# Altium PCB DKS.PcbDoc
Units mil, origin at the board's own origin, x right, y up, seen from the top; angles counter-clockwise.
Board outline 6000 x 4000 mil, 2 copper layers (Top Layer, Bottom Layer); 47 components, 39 nets, 185 pads, 0 vias.
Unrouted connection lines stored in the file: 99.
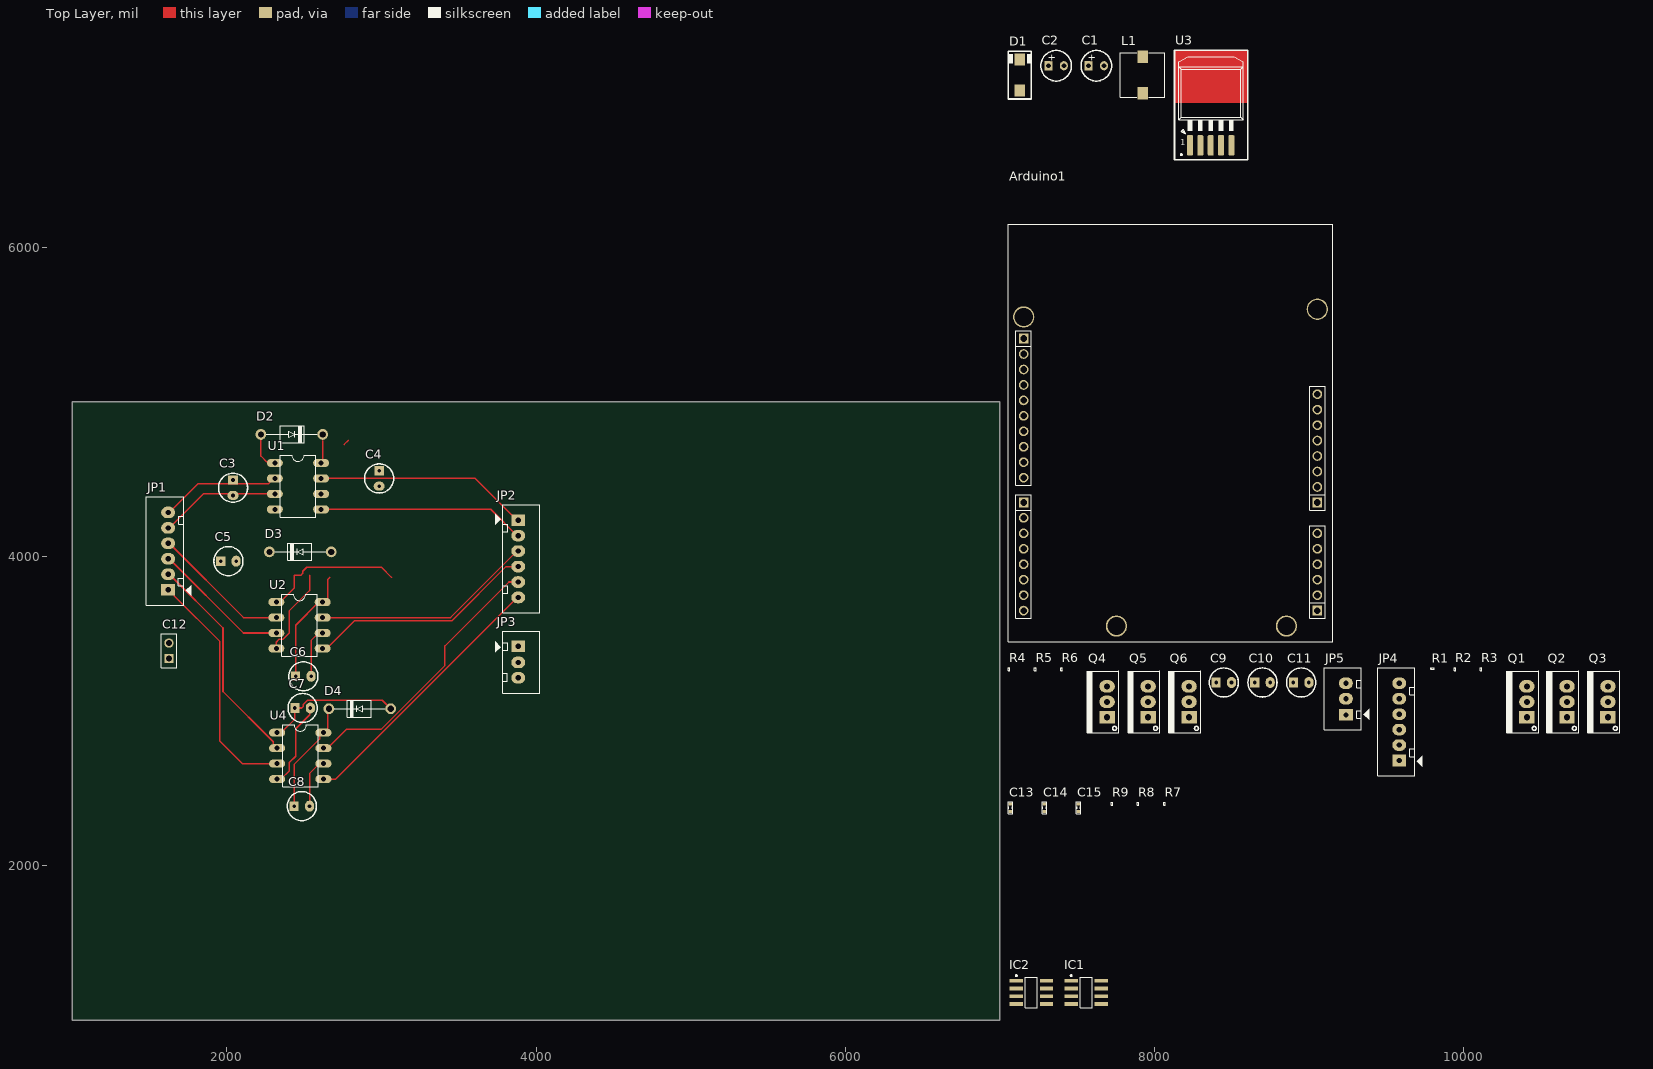
[diagram p0: Top Layer view]
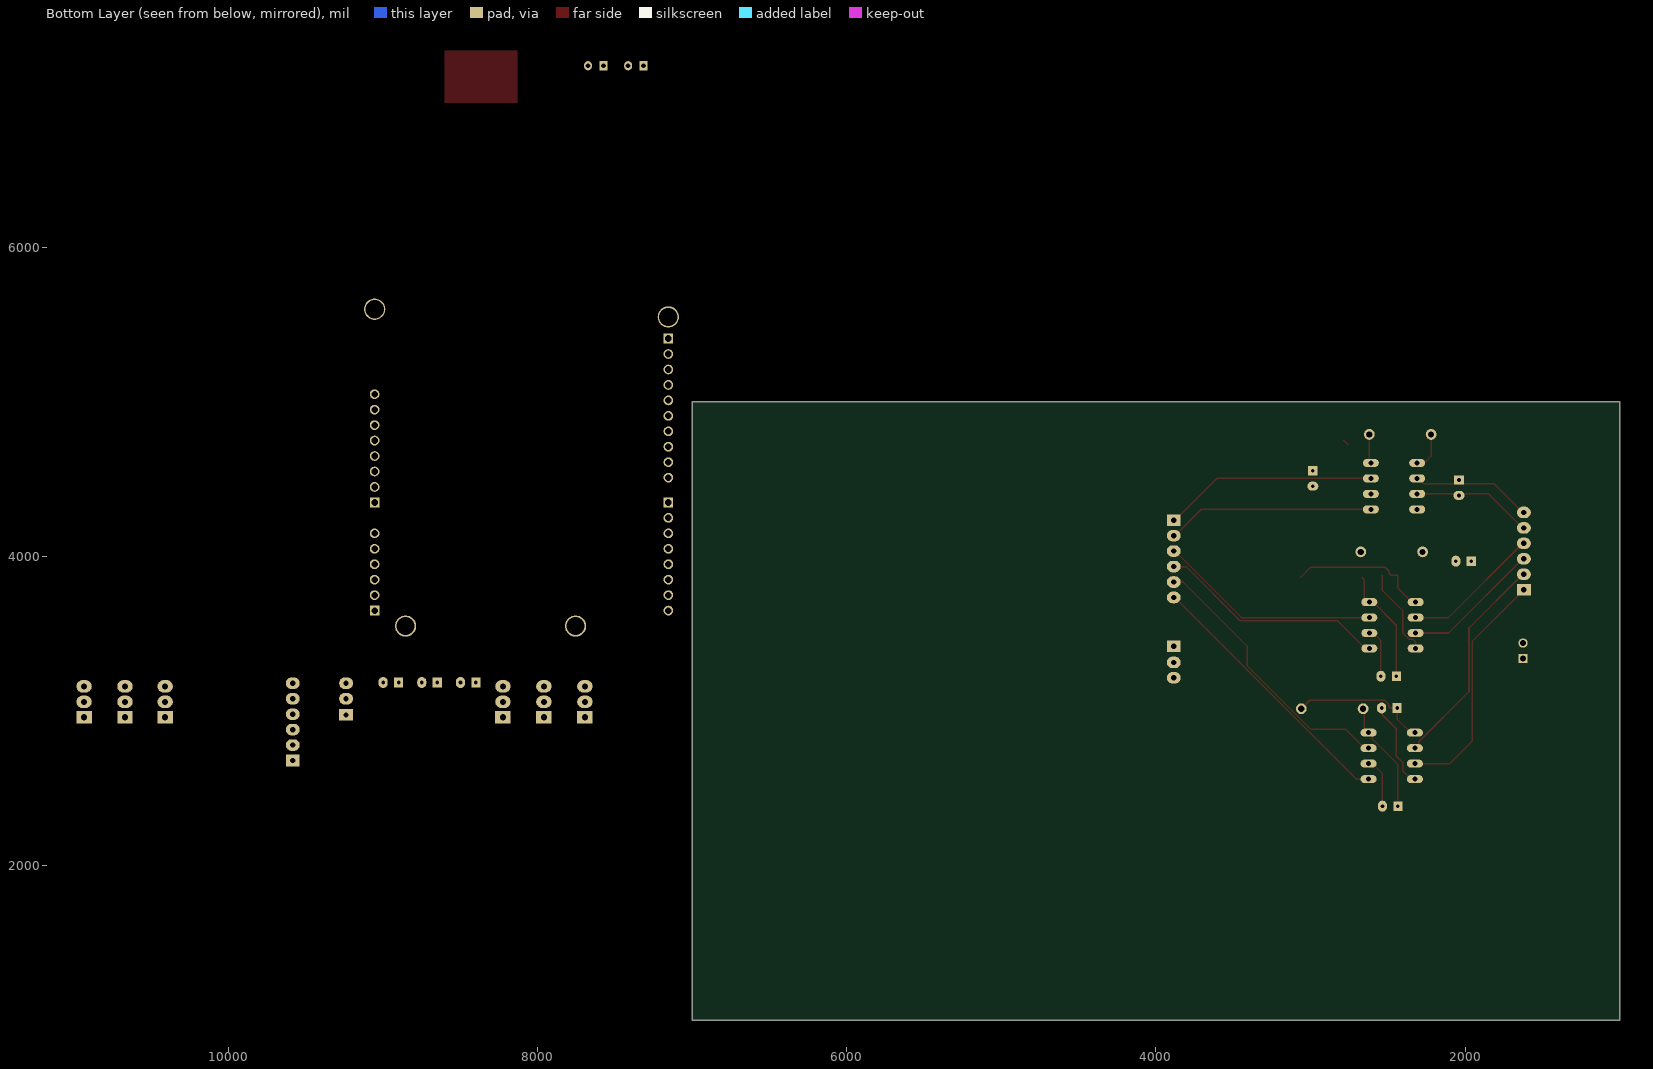
[diagram p1: Bottom Layer view, seen from below]

## Layer stack, top to bottom
Top Solder: solder mask 0.4, Solder Resist, Dk 3.5
Top Layer: signal copper 1.4
Dielectric 1: dielectric 12.6, FR-4, Dk 4.8
Bottom Layer: signal copper 1.4
Bottom Solder: solder mask 0.4, Solder Resist, Dk 3.5

## Board outline
1000,1000 7000,1000 7000,5000 1000,5000

## Design rules (kind name [scope] priority, off if disabled: settings)
Clearance [All] p1: gap=10 ignorepadtopadclearanceinfootprint=FALSE except(0: Arc-Hole Track-Hole SMDPad-Hole THPad-Hole Via-Hole Fill-Hole Poly-Hole Region-Hole Text-Hole)
PolygonConnect [All] p1: connectstyle=Relief reliefconductorwidth=10 reliefentries=4 polygonreliefangle="90 Angle" airgapwidth=10
RoomDefinition Power_Supply [InComponentClass('Power_Supply')] p1: confinementstyle=ConfineIn formatcopy=TRUE lockcomponents=FALSE outline 7045,6555 8615,6555 8615,7385 7045,7385
RoomDefinition MCU [InComponentClass('MCU')] p2: confinementstyle=ConfineIn formatcopy=TRUE lockcomponents=FALSE outline 7045,3440 9165,3440 9165,6505 7045,6505
RoomDefinition IGBT [InComponentClass('IGBT')] p3: confinementstyle=ConfineIn formatcopy=TRUE lockcomponents=FALSE outline 7045,2570 11020,2570 11020,3390 7045,3390
RoomDefinition Filter_Load [InComponentClass('Filter_Load')] p4: confinementstyle=ConfineIn formatcopy=TRUE lockcomponents=FALSE outline 7045,2330 8185,2330 8185,2520 7045,2520
RoomDefinition Current_Voltage_Sensor [InComponentClass('Current_Voltage_Sensor')] p5: confinementstyle=ConfineIn formatcopy=TRUE lockcomponents=FALSE outline 7045,1060 7720,1060 7720,1405 7045,1405
RoutingVias [All] p1: holewidth=28 width=50 viastyle="Through Hole" minholewidth=28 minwidth=50 maxholewidth=28 maxwidth=50
SolderMaskExpansion [All] p1: expansion=4 istentingtop=FALSE
Width [All] p1: maxlimit=10 minlimit=10 preferedwidth=10
30 further rules are at their usual default settings.

## Classes and differential pairs
component class Power_Supply: C1 C2 D1 L1 U3
component class MCU: Arduino1
component class IGBT: C9 C10 C11 JP4 JP5 Q1 Q2 Q3 Q4 Q5 Q6 R1 R2 R3 R4 R5 R6
component class Filter_Load: C13 C14 C15 L? R7 R8 R9
component class Current_Voltage_Sensor: IC1 IC2
component class Driver: C3 C4 C5 C6 C7 C8 C12 D2 D3 D4 JP1 JP2 JP3 L? U2 U4

## Components (designator, comment, footprint, x,y, rotation, side; value= is the part's Value field where it differs from the comment)
Arduino1 "Arduino Uno R3" "Arduino UNO R3" 8145,4825 r90 top value="Cau 1A"
C1 "680uF" C5mm 7625,7175 r0 top
C2 "220uF" C5mm 7365,7175 r0 top
C3 "10uF/25V" C3MM 2040,4445 r270 top
C4 "10uF/25V" C3MM 2985,4505 r270 top
C5 "10uF/25V" C3MM 2010,3970 r0 top
C6 "10uF/25V" C3MM 2495,3225 r0 top
C7 "10uF/25V" C3MM 2490,3020 r0 top
C8 "10uF/25V" C3MM 2485,2385 r0 top
C9 "10uF/50V" C3MM 8450,3185 r0 top
C10 "10uF/50V" C3MM 8700,3185 r0 top
C11 "10uF/50V" C3MM 8950,3185 r0 top
C12 "JP2" JP2-C1T 1625,3340 r90 top
C13 "47uF" CAP_0402 7070,2375 r90 top value=33p
C14 "47uF" CAP_0402 7290,2375 r90 top value=33p
C15 "47uF" CAP_0402 7510,2375 r90 top value=33p
D1 "Diode Zener" SMA 7130,7115 r90 top
D2 "Diode" DIO-1A 2220,4790 r0 top value=1N5007
D3 "Diode" DIO-1A 2675,4030 r180 top value=1N5007
D4 "Diode" DIO-1A 3060,3015 r180 top value=1N5007
IC1 "Current Sensor IC" SOIC-8 7560,1180 r0 top
IC2 "Current Sensor IC" SOIC-8 7205,1180 r0 top
JP1 "JP6" CON6 1620,3785 r90 top value="Connector 6"
JP2 "JP6" CON6 3885,4235 r270 top value="Connector 6"
JP3 "JP3" CON3 3885,3415 r270 top value="Connector 3"
JP4 "JP6" CON6 9585,2680 r90 top value="Connector 6"
JP5 "JP3" CON3 9240,2980 r90 top value="Connector 3"
L1 "33uH" L-SMD-M-7.3x4.5 7925,7115 r0 top value="150 mH"
Q1 "IRF840" QTO-220 10410,2960 r90 top
Q2 "IRF840" QTO-220 10670,2960 r90 top
Q3 "IRF840" QTO-220 10935,2960 r90 top
Q4 "IRF840" QTO-220 7695,2960 r90 top
Q5 "IRF840" QTO-220 7960,2960 r90 top
Q6 "IRF840" QTO-220 8225,2960 r90 top
R1 "100" RES-SMD-0101 9800,3275 r0 top
R2 "100" RES-SMD-0101 9945,3270 r90 top
R3 "100" RES-SMD-0101 10115,3270 r90 top
R4 "100" RES-SMD-0101 7060,3270 r90 top
R5 "100" RES-SMD-0101 7230,3270 r90 top
R6 "100" RES-SMD-0101 7400,3270 r90 top
R7 "1k" RES-SMD-0101 8065,2400 r90 top
R8 "1k" RES-SMD-0101 7895,2400 r90 top
R9 "1k" RES-SMD-0101 7725,2400 r90 top
U1 "IR2103" DIL08 2460,4455 r270 top
U2 "IR2103" DIL08 2470,3555 r270 top
U3 "LM2976" TO263 8350,6895 r0 top
U4 "IR2103" DIL08 2475,2710 r270 top

## Footprints (in the part's own frame and the unit in brackets; to place one, negate y for a bottom-side part, rotate by r counter-clockwise, add the part's x,y. Pads: shape width x height; smd on the part's side, far side on the other; paste and mask are expansions set on the pad)
"Arduino UNO R3" [mm]
  round 1.6 hole 1.1: 0-RX(-29.845,25.146) 1-TX(-27.305,25.146) 2(-24.765,25.146) 3V3(-1.905,-23.114) 4(-19.685,25.146) 5V(-4.445,-23.114) 8(-8.001,25.146) 12(2.159,25.146) 13(4.699,25.146) A0(-17.145,-23.114) A1(-19.685,-23.114) A2(-22.225,-23.114) A3(-24.765,-23.114) A4(-27.305,-23.114) AREF(9.779,25.146) GND(-9.525,-23.114) GND(-6.985,-23.114) GND(7.239,25.146) IOREF(3.175,-23.114) NC(5.715,-23.114) RESET(0.635,-23.114) SDA(12.319,25.146) ~3(-22.225,25.146) ~5(-17.145,25.146) ~6(-14.605,25.146) ~9(-5.461,25.146) ~10(-2.921,25.146) ~11(-0.381,25.146)
  rect 1.6x1.6 hole 1.1: 7(-12.065,25.146) A5(-29.845,-23.114) SCL(14.859,25.146) Vin(-12.065,-23.114)
  round 3.5 hole 3: GND(-32.385,9.906) GND(18.415,25.146) GND(19.685,-23.114) ""(-32.385,-18.034)
  oval 0x2 all layers, no hole: ""(-32.385,-18.034)
  round 0 all layers, no hole: ""(-32.385,9.906) ""(18.415,25.146) ""(19.685,-23.114)
  silkscreen extent -34.92,-25.65 33.66,27.69, body extent -34.93,-25.65 40,27.69, height 15.28
C3MM [mm]
  rect 1.5x1.58 hole 0.6: 1(-1.27,0)
  oval 1.5x1.8 hole 0.6: 2(1.27,0)
  silkscreen extent -2.39,-2.39 2.39,2.39, body extent -2,-2.03 1.99,1.97, height 7.01
C5mm [mm]
  rect 1.3x1.5 hole 0.8: 1(-1.27,0)
  oval 1.3x1.5 hole 0.8: 2(1.27,0)
  silkscreen extent -2.51,-2.51 2.51,2.51, body extent -2.5,-2.5 2.49,2.5, height 11.01
CAP_0402 [mm]
  rect 0.5x0.6 smd: 1(-0.61,0) 2(0.61,0)
  silkscreen extent -0.97,-0.38 0.97,0.41, body extent -0.5,-0.27 0.5,0.26, height 0.35
CON3 [mil] "CON 3"
  rect 75x90 hole 34: 1(-5,0)
  oval 75x90 hole 34: 2(100,0) 3(200,0)
  silkscreen extent -100,-150 300,140, body extent -95,-90 295,136, height 276
CON6 [mil] "CON6"
  rect 75x90 hole 34: 1(0,0)
  oval 75x90 hole 34: 2(100,0) 3(200,0) 4(300,0) 5(400,0) 6(500,0)
  silkscreen extent -100,-150 600,140
DIL08 [mil]
  oval 52x104 hole 32: 1(-150,-150) 2(-50,-150) 3(50,-150) 4(150,-150) 5(150,150) 6(50,150) 7(-50,150) 8(-150,150)
  silkscreen extent -200,-115 200,115
DIO-1A [mil]
  round 70 hole 40: 1(0,0) 2(400,0)
  silkscreen extent 35,-55 365,55, body extent -11,-50 411,54, height 102
JP2-C1T [mm] "2 row, straight, gold plating"
  rect 1.52x1.52 hole 1.02: 1(0,0)
  round 1.52 hole 1.02: 2(2.54,0)
  silkscreen extent -1.52,-1.27 4.06,1.27, body extent -1.52,-1.25 4.06,1.25, height 8.51
L-SMD-M-7.3x4.5 [mm] "WE-PDA SMD Shielded Power Inductor, 7345"
  rect 1.7x2 smd: 1(0,3) 2(0,-3)
  silkscreen extent -3.65,-3.65 3.65,3.65, body extent -3.65,-3.65 3.65,3.65, height 4.05
QTO-220 [mil] "TO-220 - 1-2-3"
  rect 80x100 hole 39: 1(0,0)
  oval 80x100 hole 39: 2(100,0) 3(200,0)
  silkscreen extent -100,-76 300,130, body extent -119,-64 322,121, height 755
RES-SMD-0101 [mm]
  rect 0.15x0.25 smd: 1(-0.2,0) 2(0.2,0)
  silkscreen extent -0.25,-0.13 0.25,0.13, body extent -0.2,-0.1 0.2,0.1, height 0.12
SMA [mm]
  rect 2x1.7 smd: 1(-2.544,0) 2(2.544,0)
  silkscreen extent -3.94,-1.9 3.94,1.91, body extent -2.87,-1.4 2.87,1.4, height 2.29
SOIC-8 [mm] "SOIC, 8-Leads, Body 5,0x4,0mm (max), Pitch 1,27mm, IPC Medium Density"
  rect 2.2x0.6 smd: 1(-2.475,1.905) 2(-2.475,0.635) 3(-2.475,-0.635) 4(-2.475,-1.905) 5(2.475,-1.905) 6(2.475,-0.635) 7(2.475,0.635) 8(2.475,1.905)
  silkscreen extent -2.6,-2.5 0.98,2.88, body extent -3.2,-2.5 3.2,2.5, height 1.75
TO263 [mm]
  rrect50% 1x3.4 smd: 1(-3.019,-5.969) 2(-1.319,-5.969) 4(2.081,-5.969) 5(3.781,-5.969)
  rrect50% 1x3.4 smd mask+0: 3(0.381,-5.969)
  Top Layer region: -5.568,1.016 6.432,1.016 6.432,9.65 -5.568,9.65
  silkscreen extent -5.57,-8.35 6.43,9.65, body extent -4.73,-6.84 5.43,7.8, height 4.57

## Part data
Arduino1: "Arduino UNO R3"
C1 C2: library part "Cap Pol 5mm", "Polarized Capacitor (Axial)", LatestRevisionDate=17-Jul-2002, LatestRevisionNote="Re-released for DXP Platform.", PackageReference=POLAR0.8, Published=8-Jun-2000, Publisher="Altium Limited"
C3 C4 C5 C6 C7 C8 C9 C10 C11: library part "Cap Pol", "Polarized Capacitor (Axial)", LatestRevisionDate=17-Jul-2002, LatestRevisionNote="Re-released for DXP Platform.", PackageReference=POLAR0.8, Published=8-Jun-2000, Publisher="Altium Limited"
C12: "WR-PHD 2.54 mm Angled Socket Header", Manufacturer="W¨¹rth Elektronik eiSos GmbH", partNo=613002143121, ComponentLink1 Description=Manufacturer, ComponentLink1URL=http://www.we-online.com, ComponentLink2 Description=Datasheet, ComponentLink2URL=http://katalog.we-online.de/em/datasheet/6130xx143121.pdf, Created by="Karrer Zheng", Created Date="29 March 2013", NoPins=02
C13 C14 C15: library part CapSMD, "Capacitor", LatestRevisionDate=17-Jul-2002, LatestRevisionNote="Re-released for DXP Platform.", PackageReference=RAD-0.3, Published=8-Jun-2000, Publisher="Altium Limited"
D1: "Zener Diode", LatestRevisionDate=17-Jul-2002, LatestRevisionNote="Re-released for DXP Platform.", PackageReference=DIODE-0.7, Published=8-Jun-2000, Publisher="Altium Limited"
D2 D3 D4: "Default Diode", Code - JEDEC=DO-214-AB, Published=8-Jun-2000, Publisher="Altium Limited", Revision="July-2002: Re-released for DXP Platform."
IC1 IC2: library part ACS712
JP1 JP2 JP4: library part Con6, "Connector 6"
JP3 JP5: library part Con3, "Connector 3"
L1: library part L1, "Inductor"
Q1 Q2 Q3 Q4 Q5 Q6: "MOSFET N - CHANNEL 500V - 0.75 - 8A - TO-220"
R1 R2 R3 R4 R5 R6 R7 R8 R9: library part "Resistor - SMD", "Resistor", Manufacturer="Generic Components", Class=Passive, Published=08/06/2000, Publisher="Altium Hobart Technology Centre"
U1 U2 U4: "Half-Bridge Gate Driver IC Inverting, Non-Inverting 8-PDIP", Package="DIP-8 International Rectifier", Availability=Unavailable, MF=Infineon, MP=IR2103, Price=None, SnapEDA_Link=https://www.snapeda.com/parts/IR2103/Infineon%20Technologies/view-part/41870/?ref=snap
U3: library part LM2596, Max Input Voltage="12 V", Max Output Current="3 (6.0 peak) A", Max Output Voltage=mV, Temperature Range="-40 to +125 degC", Category=IC-Power, Min Input Voltage=mV, Min Output Voltage=mV, Mounting Technology="Surface Mount", Status=Unreleased, Supply Voltage=mV

## Nets (pads, with @x,y where several pads share a name; then routed paths per layer and width w, separated by ;. In a path a pad name is that pad's centre, name@x,y a point inside that pad or via, vN(x,y) a via of type N, cw(c..) or ccw(c..) an arc to the next point about the centre after c; other vN are vias at no path point)
5V: Arduino1.Vin C2.1 C3.1 C5.1 C7.1 C12.2 D2.1 D3.1 D4.1 IC1.8 IC2.8 L1.2 U1.1 U2.1 U3.4 U4.1 | length 2066.6
  Top Layer w10: D2.1 2220,4650 2256.96,4613.04 2264.6,4613.04 2267.38,4610.26 U1.1@2267.38,4602.62 ; U2.1 2346,3705 2435,3794 2435,3880 2479.53,3880 2490.47,3890.94 2490.47,3904.35 2516.56,3930.43 2665,3930.43 2999.57,3930.43 3065,3865 ; U4.1 2351,2860 2440,2949 C7.1 2484.53,3020 2495.47,3030.94 2495.47,3044.35 2521.56,3070.43 3004.57,3070.43 D4.1 ; 2758.44,4724.57 2784.53,4750.65
24V: C1.1 C9.1 C10.1 C11.1 Q1.2 Q2.2 Q3.2 U3.1
A0: Arduino1.A0 IC1.7
A1: Arduino1.A1 IC2.7
A2: Arduino1.A2
A3: Arduino1.A3
GND: Arduino1.GND C1.2 C2.2 C3.2 C5.2 C7.2 C9.2 C10.2 C11.2 C12.1 C13.1 C14.1 C15.1 D1.1 Q4.3 Q5.3 Q6.3 R7.2 R8.2 R9.2 U1.4 U2.4 U3.3 U3.5 U4.4 | length 1169
  Top Layer w10: U1.4 U1.4@2336,4305 ; U2.4 2320,3446 2338,3464 2362.98,3464 2405,3506.02 2405,3650 2535,3780 2535,3880 ; U4.4 2351,2560 2404.86,2613.86 2404.86,2668.14 2445,2708.28 2445,2885 2535.56,2975.56 2535.56,3015.56 C7.2
HI1: Arduino1.13 JP1.6 U1.2 | length 786.4
  Top Layer w10: JP1.6 1627.5,4285 1812.5,4470 2269.3,4470 2275.96,4476.66 2275.96,4485.6 2295.37,4505 U1.2
HI2: Arduino1.~11 JP1.4 U2.2 | length 898.8
  Top Layer w10: JP1.4 1627.5,4085 2107.5,3605 U2.2
HI3: Arduino1.~9 JP1.2 U4.2 | length 1424.7
  Top Layer w10: JP1.2 1627.5,3885 1975,3537.5 1975,3126.02 2300.02,2801 2300.02,2779.4 2319.42,2760 U4.2
HO1: JP2.1 JP4.6 R1.1 U1.7 | length 1386.8
  Top Layer w10: U1.7 3607.5,4505 3877.5,4235 JP2.1
HO2: JP2.3 JP4.4 R2.1 U2.7 | length 1443.1
  Top Layer w10: U2.7 3447.5,3605 3877.5,4035 JP2.3
HO3: JP2.5 JP4.2 R3.1 U4.7 | length 1778.9
  Top Layer w10: U4.7 2651,2760 2772.16,2881.16 2996.87,2881.16 3410.94,3295.23 3410.94,3420.94 3825,3835 JP2.5
IP1+: C4.2 IC1.1 IC1.2 JP3.1 Q1.3 Q4.2 U1.6 | length 26
  Top Layer w10: U1.6@2584,4405 U1.6
IP1-: IC1.3 IC1.4
IP2+: C6.2 IC2.1 IC2.2 JP3.2 Q2.3 Q5.2 U2.6 | length 326.3
  Top Layer w10: C6.2 2545,3456 2594,3505 U2.6
IP2-: IC2.3 IC2.4
LI1: Arduino1.12 JP1.5 U1.3 | length 781.1
  Top Layer w10: JP1.5 1627.5,4185 1847.5,4405 U1.3
LI2: Arduino1.~10 JP1.3 U2.3 | length 898.8
  Top Layer w10: JP1.3 1627.5,3985 2107.5,3505 U2.3
LI3: Arduino1.8 JP1.1 U4.3 | length 1553.2
  Top Layer w10: JP1.1 1627.5,3785 1660,3752.5 1660,3745 1955,3450 1955,2805 2100,2660 U4.3
LO1: JP2.2 JP4.5 R4.1 U1.5 | length 1345.4
  Top Layer w10: U1.5 3707.5,4305 3877.5,4135 JP2.2
LO2: JP2.4 JP4.3 R5.1 U2.5 | length 1484.5
  Top Layer w10: U2.5 2646,3405 2826,3585 3455.78,3585 3805.78,3935 JP2.4
LO3: JP2.6 JP4.1 R6.1 U4.5 | length 1746.7
  Top Layer w10: U4.5 2703.99,2560 3878.99,3735 JP2.6
NetC4_1: C4.1 D2.2 U1.8 | length 174.6
  Top Layer w10: U1.8@2584,4605 U1.8 2620,4615 2620,4749.45
NetC6_1: C6.1 D3.2 U2.8 | length 754.6
  Top Layer w10: C6.1 2445,3556 2594,3705 U2.8 2634.12,3705 2653.52,3724.4 2653.52,3853.52 2665,3865
NetC8_1: C8.1 D4.2 U4.8 | length 731.5
  Top Layer w10: C8.1 2435,2653.98 2600.02,2819 2600.02,2840.6 2619.42,2860 U4.8 2633.6,2860 2653,2879.4 2653,3008 D4.2
NetC15_2: C15.2 R9.1
NetD1_2: D1.2 L1.1 U3.2
NetQ1_1: Q1.1 R1.2
NetQ2_1: Q2.1 R2.2
NetQ3_1: Q3.1 R3.2
NetQ4_1: Q4.1 R4.2
NetQ5_1: Q5.1 R5.2
NetQ6_1: Q6.1 R6.2
OUT1: JP5.1
OUT2: JP5.2
OUT3: C8.2 JP3.3 JP5.3 Q3.3 Q6.2 U4.6 | length 327.5
  Top Layer w10: C8.2 2535,2596 2599,2660 U4.6
V1+: C13.2 R7.1
V2+: C14.2 R8.1
pads on no net: Arduino1. Arduino1.0-RX Arduino1.1-TX Arduino1.2 Arduino1.3V3 Arduino1.4 Arduino1.5V Arduino1.7 Arduino1.A4 Arduino1.A5 Arduino1.AREF Arduino1.IOREF Arduino1.NC Arduino1.RESET Arduino1.SCL Arduino1.SDA Arduino1.~3 Arduino1.~5 Arduino1.~6 IC1.5 IC1.6 IC2.5 IC2.6

## Text inside footprints (layer, text, board x,y; h text height)
C1: Top Overlay "+" at 7570,7208 h47.24
C2: Top Overlay "+" at 7310,7208 h47.24
U3: Top Overlay "1" at 8167.14,6662 h39.37